# Altium PCB ControllerPCB2.PcbDoc
Units mm, origin at the board's own origin, x right, y up, seen from the top; angles counter-clockwise.
Board outline 98.99 x 100.01 mm, 2 copper layers (Top Layer, Bottom Layer); 79 components, 59 nets, 287 pads, 57 vias.
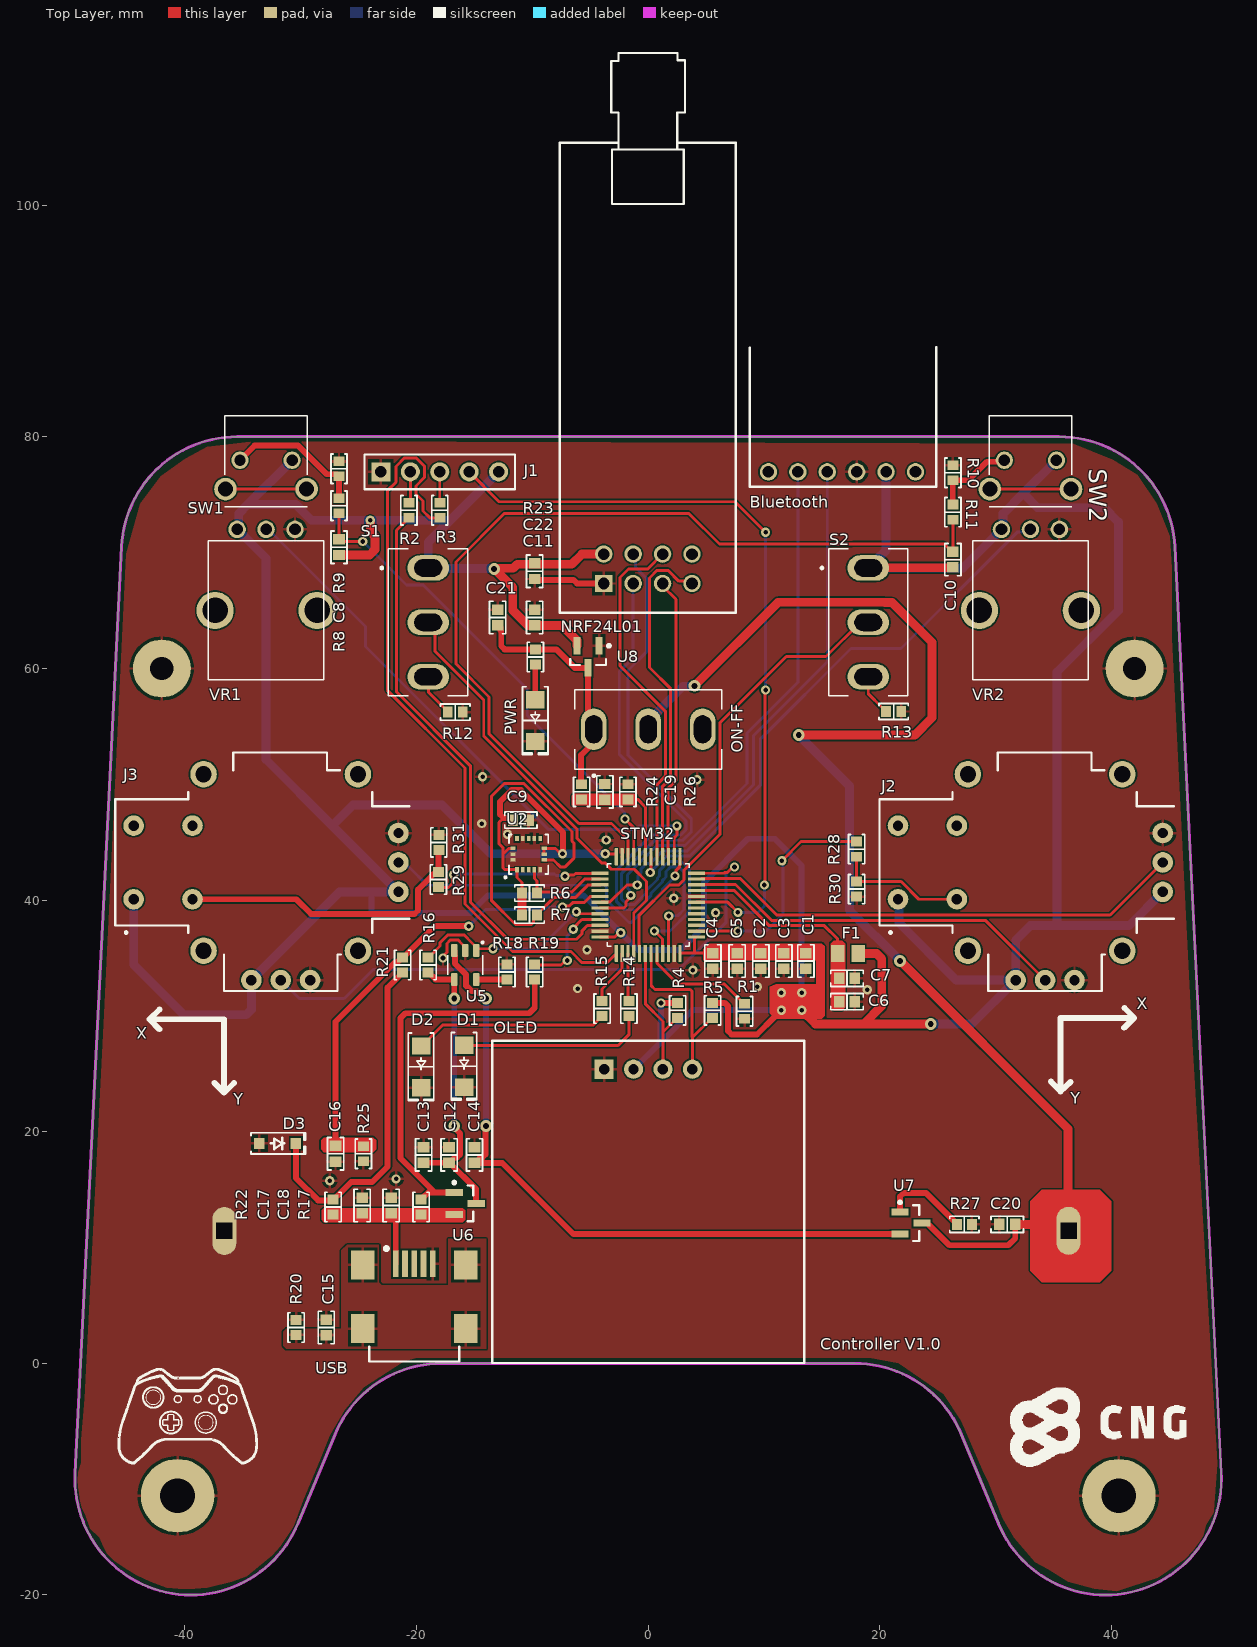
[diagram p0: Top Layer view]
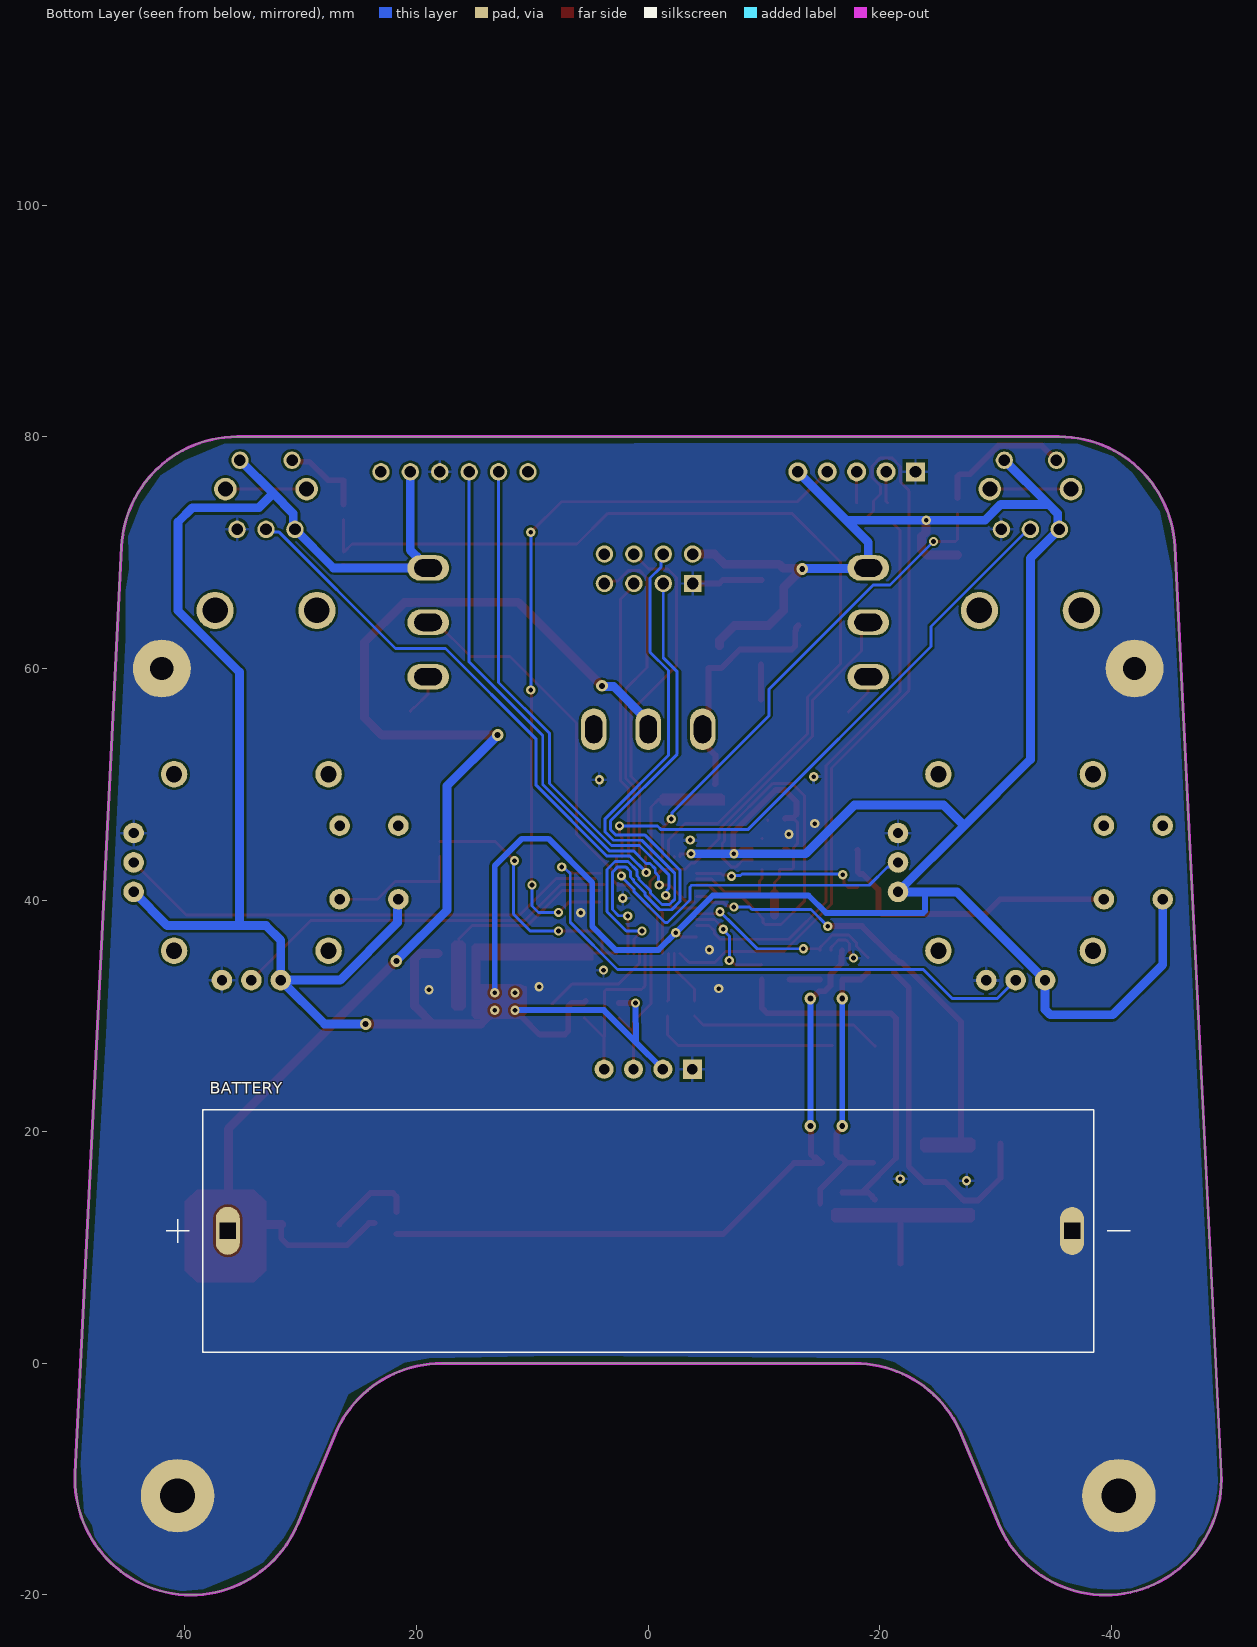
[diagram p1: Bottom Layer view, seen from below]

## Layer stack, top to bottom
Top Solder: solder mask 0.0102, Solder Resist, Dk 3.5
Top Layer: signal copper 0.0356
Dielectric 1: dielectric 0.32, FR-4, Dk 4.8
Bottom Layer: signal copper 0.0356
Bottom Solder: solder mask 0.0102, Solder Resist, Dk 3.5

## Board outline
-39.487,-20 ccw(c-39.487,-9.993) -30.25,-13.842 -27.045,-6.15 cw(c-27.044,-6.15) -27.045,-6.15 cw(c-17.821,-9.993) -17.821,0 17.821,0 cw(c17.821,-9.993) 27.046,-6.15 ccw(c27.047,-6.149) 27.046,-6.15 cw(c27.167,-6.099) 27.046,-6.15 30.251,-13.842 ccw(c39.488,-9.993) 39.488,-20 ccw(c39.488,-9.993) 49.494,-9.993 ccw(c39.492,-9.993) 49.482,-9.494 45.482,70.506 cw(c45.476,70.506) 45.482,70.506 ccw(c35.488,70.007) 35.488,80.013 -35.487,80.013 ccw(c-35.487,70.007) -45.482,70.506 -49.482,-9.494 ccw(c-39.487,-9.993)

## Design rules (kind name [scope] priority, off if disabled: settings)
Clearance [All] p1: gap=0.203 ignorepadtopadclearanceinfootprint=FALSE except(0: Arc-Hole Track-Hole SMDPad-Hole Via-Hole Fill-Hole Poly-Hole Region-Hole Text-Hole; 0.102: SMDPad-SMDPad; 0.127: Arc-Fill Arc-Poly Arc-Region Track-Fill Track-Poly Track-Region SMDPad-Fill SMDPad-Poly SMDPad-Region THPad-Fill THPad-Poly THPad-Region Via-Fill Via-Poly Via-Region Fill-Fill Fill-Poly Fill-Region Poly-Poly Poly-Region Region-Region)
Height [All] p1: minheight=0 maxheight=2539.975 prefheight=12.7
PolygonConnect [All] p1: connectstyle=Relief reliefconductorwidth=0.254 reliefentries=4 polygonreliefangle="90 Angle" airgapwidth=0.254
RoutingVias [All] p1: holewidth=0.4 width=0.8 viastyle="Through Hole" minholewidth=0.2 minwidth=0.4 maxholewidth=0.8 maxwidth=1.2
SolderMaskExpansion [All] p1: expansion=0.102 istentingtop=FALSE
Width [All] p1: maxlimit=1.016 minlimit=0.254 preferedwidth=0.508
29 further rules are at their usual default settings.

## Classes and differential pairs
component class Power: BATTERY C12 C13 C14 C15 C16 C17 C18 C19 C20 C21 C22 D3 ON-FF PWR R16 R17 R18 R19 R20 R21 R22 R23 R24 R25 R26 R27 U5 U6 U7 U8 USB
component class Peripheral: Bluetooth C8 C9 C10 C11 D1 D2 J2 J3 NRF24L01 OLED R8 R9 R10 R11 R12 R13 R14 R15 R28 R29 R30 R31 S1 S2 SW1 SW2 U2 VR1 VR2
component class MCU: C1 C2 C3 C4 C5 C6 C7 F1 J1 R1 R2 R3 R4 R5 R6 R7 STM32

## Components (designator, comment, footprint, x,y, rotation, side; value= is the part's Value field where it differs from the comment)
BATTERY "BK-18650-PC2" BK-16850-PC2 0,11.43 r180 bottom (schematic designator B3)
Bluetooth "1x6 Pin Header - Female" "1x6 Pin Header - Female" 16.731,76.982 r0 top (schematic designator H1)
C1 "4.7µF" "CAP 0603_1608" 13.614,34.747 r90 top
C2 "0.1µF" "CAP 0603_1608" 9.728,34.747 r90 top
C3 "0.1µF" "CAP 0603_1608" 11.709,34.747 r90 top
C4 "0.1µF" "CAP 0603_1608" 5.588,34.747 r90 top
C5 "0.1µF" "CAP 0603_1608" 7.671,34.747 r90 top
C6 "1µF" "CAP 0603_1608" 17.161,31.242 r180 top
C7 "10000pF" "CAP 0603_1608" 17.161,33.249 r180 top
C8 "0.1µF" "CAP 0603_1608" -26.7,70.475 r90 top
C9 "10µF" "CAP 0603_1608" -10.998,46.914 r180 top
C10 "0.1µF" "CAP 0603_1608" 26.3,69.4 r90 top
C11 "10µF" "CAP 0603_1608" -9.8,68.4 r270 top
C12 "1µF" "CAP 0603_1608" -17.2,18 r270 top
C13 "0.1µF" "CAP 0603_1608" -19.4,18 r270 top
C14 "10µF" "CAP 0603_1608" -15,18 r270 top
C15 "4700pF" "CAP 0603_1608" -27.8,3.1 r270 top
C16 "0.1µF" "CAP 0603_1608" -27,18.1 r90 top
C17 "2.2µF" "CAP 0603_1608" -24.7,13.633 r270 top
C18 "0.1µF" "CAP 0603_1608" -22.2,13.633 r270 top
C19 "1000pF" "CAP 0603_1608" -3.75,49.35 r270 top
C20 "0.1µF" "CAP 0603_1608" 31,12 r0 top
C21 "1µF" "CAP 0603_1608" -13,64.4 r270 top
C22 "1µF" "CAP 0603_1608" -9.8,64.4 r270 top
D1 "Green" "LED 1206_3216 YELLOW" -15.9,25.654 r270 top
D2 "Green" "LED 1206_3216 YELLOW" -19.609,25.607 r270 top
D3 "BZT52C5V6-HE3-08" SOD-123 -32,19 r0 top
F1 "BLM21PG220SN1D" BLM21PG220SN1D 17.248,35.382 r0 top
J1 "Header-90 Degree-5x1" "Header-90 Degree-5P" -17.999,76.982 r0 top
J2 "COM-09032" COM-09032 33.001,41.982 r90 top
J3 "COM-09032" COM-09032 -32.999,41.982 r90 top
NRF24L01 "NRF24L01" "NRF24L01+ PCB" 0,68.58 r90 top (schematic designator U3)
OLED "OLED 0.96" "OLED 0.96" 0.001,25.4 r0 top (schematic designator U4)
ON-FF "MTS-102" "MTS-102 (Toggle)" 0,54.75 r90 top (schematic designator S3)
PWR "Green" "LED 1206_3216 YELLOW" -9.75,55.5 r270 top (schematic designator D4)
R1 "10 kOhms" "RES 0603_1608" 8.331,30.404 r90 top
R2 "22 Ohms" "RES 0603_1608" -20.663,73.66 r90 top
R3 "22 Ohms" "RES 0603_1608" -17.999,73.66 r90 top
R4 "10 kOhms" "RES 0603_1608" 2.54,30.48 r90 top
R5 "10 kOhms" "RES 0603_1608" 5.561,30.48 r90 top
R6 "10 kOhms" "RES 0603_1608" -10.25,40.6 r180 top
R7 "10 kOhms" "RES 0603_1608" -10.25,38.7 r180 top
R8 "330 Ohms" "RES 0603_1608" -26.7,74.05 r270 top
R9 "10 kOhms" "RES 0603_1608" -26.7,77.25 r270 top
R10 "330 Ohms" "RES 0603_1608" 26.3,73.5 r270 top
R11 "10 kOhms" "RES 0603_1608" 26.3,76.9 r270 top
R12 "10 kOhms" "RES 0603_1608" -16.662,56.236 r180 top
R13 "10 kOhms" "RES 0603_1608" 21.194,56.286 r180 top
R14 "330 Ohms" "RES 0603_1608" -1.676,30.632 r270 top
R15 "330 Ohms" "RES 0603_1608" -3.988,30.632 r270 top
R16 "10 kOhms" "RES 0603_1608" -19,34.4 r270 top
R17 "22 kOhms" "RES 0603_1608" -19.6,13.503 r270 top
R18 "4.7 kOhms" "RES 0603_1608" -12.2,33.8 r270 top
R19 "100 Ohms" "RES 0603_1608" -9.8,33.8 r270 top
R20 "1 MOhms" "RES 0603_1608" -30.4,3.1 r270 top
R21 "47 kOhms" "RES 0603_1608" -21.2,34.4 r270 top
R22 "4.7 kOhms" "RES 0603_1608" -27.2,13.503 r90 top
R23 "330 Ohms" "RES 0603_1608" -9.75,61 r90 top
R24 "270 kOhms" "RES 0603_1608" -5.75,49.35 r90 top
R25 "56 kOhms" "RES 0603_1608" -24.6,18.1 r90 top
R26 "1 MOhms" "RES 0603_1608" -1.75,49.35 r270 top
R27 "22 kOhms" "RES 0603_1608" 27.3,12 r180 top
R28 "330 Ohms" "RES 0603_1608" 18,44.4 r270 top
R29 "330 Ohms" "RES 0603_1608" -18.11,41.783 r90 top
R30 "10 kOhms" "RES 0603_1608" 18,40.95 r90 top
R31 "10 kOhms" "RES 0603_1608" -18.085,44.983 r270 top
S1 "MTS-102" "MTS-102 (Toggle)" -18.999,63.982 r0 top
S2 "MTS-102" "MTS-102 (Toggle)" 19.001,63.982 r0 top
STM32 "STM32L051C8T6" LQFP-48 0,39.571 r180 top (schematic designator U1)
SW1 "Switch Tactile, Right Angle" "Tactile Switch" -32.999,77.982 r180 top
SW2 "Switch Tactile, Right Angle" "Tactile Switch" 33.001,77.982 r180 top
U2 "LIS3DH" VFLGA-16 -10.33,43.967 r90 top
U5 "STC4054GR" TSOT-23 -15.8,34.4 r270 top
U6 "SSM3J338R,LF" SOT-23-3 -15.8,13.8 r0 top
U7 "SSM3J338R,LF" SOT-23-3 22.7,12.1 r0 top
U8 "MCP1700T-3302E/TT" SOT-23-3 -5.2,61 r270 top
USB "USB2066-05-RBHM-15-STB-00-00-A" "USB Mini-B" -20.2,6 r0 top (schematic designator J4)
VR1 "PTV09A-4225F-B104" PTV09A-4225F-B104 -32.999,71.982 r180 top
VR2 "PTV09A-4225F-B104" PTV09A-4225F-B104 33.001,71.982 r180 top

## Footprints (in the part's own frame and the unit in brackets; to place one, negate y for a bottom-side part, rotate by r counter-clockwise, add the part's x,y. Pads: shape width x height; smd on the part's side, far side on the other; paste and mask are expansions set on the pad)
"1x6 Pin Header - Female" [mm]
  round 1.5 hole 1: 1(-6.35,0) 2(-3.81,0) 3(-1.27,0) 4(1.27,0) 5(3.81,0) 6(6.35,0)
  silkscreen extent -7.97,-1.3 8.14,10.75, body extent -7.82,-0.3 7.42,10.05, height 2
BK-16850-PC2 [mm]
  oval 2.07x4.14 hole 1.38 square: NEG(36.6,0) POS(-36.3,0.018)
  silkscreen extent -41.63,-10.49 41.63,10.49, body extent -38,-10.49 38.96,10.49, height 21.71
BLM21PG220SN1D [mm]
  rect 1.14x1.47 smd: 1(-0.89,0) 2(0.89,0)
  body extent -1,-0.63 1,0.63, height 1.05
"CAP 0603_1608" [mm] "Chip Capacitor, 2-Leads, Body 1.60x0.80mm, IPC Medium Density"
  rect 0.9x1 smd: 1(-0.675,0) 2(0.675,0)
  silkscreen extent -1.4,-0.7 1.4,0.7, body extent -0.8,-0.41 0.8,0.41, height 0.82
COM-09032 [mil]
  round 70 hole 35.43: B1A(-75,450) B1B(175,450) B2A(-75,250) B2B(175,250)
  round 70 hole 35: H1(-50,-450) H2(50,-450) H3(150,-450) V1(-350,50) V2(-350,-50) V3(-350,-150)
  round 90 hole 55: S1(-250,212.5) S2(-250,-312.5) S3(350,-312.5) S4(350,212.5)
  silkscreen extent -387,-487 424,513, body extent -468,-576 582,512, height 1190
"Header-90 Degree-5P" [mm]
  rect 1.65x1.65 hole 1: 1(-5.08,0)
  round 1.65 hole 1: 2(-2.54,0) 3(0,0) 4(2.54,0) 5(5.08,0)
  silkscreen extent -6.5,-1.5 6.5,1.5, body extent -6.32,-1.3 6.38,7.15, height 4.3
"LED 1206_3216 YELLOW" [mm] "Chip Diode, 2-Leads, Body 3.13x1.55mm, IPC Medium Density"
  rect 1.5x1.6 smd: 1(-1.8,0) 2(1.8,0)
  silkscreen extent -2.92,-1.1 2.92,1.1, body extent -1.6,-0.8 1.6,0.8, height 0.9
LQFP-48 [mm] "LQFP-48"
  rrect25% 1.49x0.28 smd: 1(-4.17,2.75) 2(-4.17,2.25) 3(-4.17,1.75) 4(-4.17,1.25) 5(-4.17,0.75) 6(-4.17,0.25) 7(-4.17,-0.25) 8(-4.17,-0.75) 9(-4.17,-1.25) 10(-4.17,-1.75) 11(-4.17,-2.25) 12(-4.17,-2.75) 25(4.17,-2.75) 26(4.17,-2.25) 27(4.17,-1.75) 28(4.17,-1.25) 29(4.17,-0.75) 30(4.17,-0.25) 31(4.17,0.25) 32(4.17,0.75) 33(4.17,1.25) 34(4.17,1.75) 35(4.17,2.25) 36(4.17,2.75)
  rrect25% 0.28x1.49 smd: 13(-2.75,-4.17) 14(-2.25,-4.17) 15(-1.75,-4.17) 16(-1.25,-4.17) 17(-0.75,-4.17) 18(-0.25,-4.17) 19(0.25,-4.17) 20(0.75,-4.17) 21(1.25,-4.17) 22(1.75,-4.17) 23(2.25,-4.17) 24(2.75,-4.17) 37(2.75,4.17) 38(2.25,4.17) 39(1.75,4.17) 40(1.25,4.17) 41(0.75,4.17) 42(0.25,4.17) 43(-0.25,4.17) 44(-0.75,4.17) 45(-1.25,4.17) 46(-1.75,4.17) 47(-2.25,4.17) 48(-2.75,4.17)
  silkscreen extent -3.55,-3.55 3.55,3.55, body extent -4.5,-4.5 4.5,4.5, height 1.6
"MTS-102 (Toggle)" [mm]
  oval 3.6x2.2 hole 1.5 slot 2.4 at 0 deg: 1(0,4.7) 2(0,0) 3(0,-4.7)
  silkscreen extent -4.1,-6.35 3.43,6.35, body extent -6.05,-6.81 5.95,6.58, height 31.83
"NRF24L01+ PCB" [mm]
  rect 1.508x1.508 hole 1: 1(-1.24,3.84)
  round 1.508 hole 1: 2(1.3,3.84) 3(-1.24,1.3) 4(1.3,1.3) 5(-1.24,-1.24) 6(1.3,-1.24) 7(-1.24,-3.78) 8(1.3,-3.78)
  silkscreen extent -3.77,-7.57 44.56,7.63, body extent -3.1,-7.68 148.3,7.82, height 5.5
"OLED 0.96" [mm]
  rect 1.65x1.65 hole 0.9: 1(-3.81,0)
  round 1.65 hole 0.9: 2(-1.27,0) 3(1.27,0) 4(3.81,0)
  silkscreen extent -13.47,-25.37 13.46,2.47, body extent -13.35,-25.55 13.35,2.31, height 6.47
PTV09A-4225F-B104 [mm]
  round 1.508 hole 1: 1(-2.501,-0.028) 2(-0.001,-0.028) 3(2.499,-0.028)
  round 3.216 hole 2.2: NC1(-4.401,6.972) NC2(4.399,6.972)
  silkscreen extent -5,0.97 5,12.97, body extent -5.59,-0.22 5.81,12.38, height 3.8
"RES 0603_1608" [mm] "Chip Resistor, 2-Leads, Body 1.60x0.80mm, IPC Medium Density"
  rect 0.85x0.95 smd: 1(-0.65,0) 2(0.65,0)
  silkscreen extent -1.27,-0.7 1.27,0.7, body extent -0.8,-0.4 0.8,0.4, height 0.45
SOD-123 [mm] "SOD, 2-Leads, Body 1.55x3.70mm, IPC Medium Density"
  rect 0.9x0.95 smd: 1(-1.575,0) 2(1.575,0)
  silkscreen extent -2.3,-0.92 2.41,0.92, body extent -1.86,-0.78 1.86,0.77, height 1.35
SOT-23-3 [mm]
  rect 1.5x0.6 smd: 1(-0.957,0.958) 2(-0.957,-0.942) 3(0.943,0.008)
  silkscreen extent -1.08,-1.54 0.69,1.93, body extent -1.31,-1.5 1.33,1.56, height 1.12
"Tactile Switch" [mm]
  round 1.498 hole 0.99: 1(-2.25,0) 2(2.25,0)
  round 1.95 hole 1.3: S1(-3.505,2.49) S2(3.505,2.49)
  silkscreen extent -3.55,-3.86 3.55,4.01, body extent -4.21,-8.35 4.21,4, height 7.06
TSOT-23 [mm]
  rrect50% 1.14x0.59 smd: 1(-1.245,0.95) 2(-1.245,0) 3(-1.245,-0.95) 4(1.245,-0.95) 5(1.245,0.95)
  silkscreen extent -2.02,-1.5 0.85,1.57, body extent -1.4,-1.45 1.4,1.45, height 1.09
"USB Mini-B" [mm]
  rect 0.5x2.3 smd: 1(-1.6,2.6) 2(-0.8,2.6) 3(0,2.6) 4(0.8,2.6) 5(1.6,2.6)
  rect 2x2.5 smd: 6(4.45,-3) 7(4.45,2.5) 8(-4.45,-3) 9(-4.45,2.5)
  silkscreen extent -3.89,-5.84 3.89,4.01, body extent -4.95,-6.2 4.95,3.2, height 4.1
VFLGA-16 [mil]
  rect 18x12 smd: 1(-53,39.37) 2(-53,19.68) 3(-53,0) 4(-53,-19.68) 5(-53,-39.37) 9(53,-39.37) 10(53,-19.68) 11(53,0) 12(53,19.68) 13(53,39.37)
  rect 12x18 smd: 6(-19.68,-53) 7(0,-53) 8(19.68,-53) 14(19.68,53) 15(0,53) 16(-19.68,53)
  silkscreen extent -81,-67 67,81, body extent -62,-62 62,62, height 39

## Part data
BATTERY: "Battery Holder 18650 Pc Pin", Manufacturer="Memory Protection Devices", Package Quantity=100, Supplier Part Number 1=BK-18650-PC2-ND, Category=Uncategorized, ComponentLink1Description=https://datasheet.ciiva.com/3/bk-18650-pc2-datasheet-3879.pdf?src-supplier=Digi-Key, ComponentLink1URL=https://datasheet.ciiva.com/3/bk-18650-pc2-datasheet-3879.pdf?src-supplier=Digi-Key, Manufacturer Part Number=BK-18650-PC2, Mount="Through Hole,PCB", Number of Cells=1, Pricing 1="1=3,64000, 10=3,06200, 50=2,68780, 100=2,53120, 250=2,32628, 500=2,18166, 1000=2,03701, 2500=1,84416, 5000=1,66336 (USD)", RoHS=Yes, Stock 1=7372, Supplier 1=Digi-Key, Termination="PC Pin"
C1: library part LMK107BJ475KA-T, "CAP CER 4.7UF 10V X5R 0603", Device Package="0603 (1608 Metric)", Manufacturer="Taiyo Yuden", Operating Temperature="-55°C ~ 85°C", Supplier Part Number 1=587-1441-1-ND, Temperature Coefficient=X5R, Tolerance=±10%, Voltage - Rated=10V, Applications="General Purpose", Capacitance=4.7µF, ComponentLink1Description=Datasheet, ComponentLink1URL="https://ds.yuden.co.jp/TYCOMPAS/ut/detail?pn=LMK107BJ475KA-T  &u=M", ComponentLink2Description="DigiKey Link", ComponentLink2URL=http://digikey.com/product-detail/en/taiyo-yuden/LMK107BJ475KA-T/587-1441-1-ND/1004072, LastUpdated="2.09.2020 01:03:36", Lifecycle Status=Active, Minimum Order=1, Mounting Type="Surface Mount, MLCC", Package / Case="0603 (1608 Metric)", Packaging=TapeAndReel, Part Number=LMK107BJ475KA-T, Part Status=Active, PartId=2244, Price=0.03, Series=M, Size / Dimension="0.063\" L x 0.031\" W (1.60mm x 0.80mm)", Supplier 1=DigiKey, Thickness (Max)="0.035\" (0.90mm)"
C2 C3 C4 C5 C13 C16 C18 C20: library part 0603Y0160104KXT, "CAP CER 0.10UF 16V X7R 0603", Device Package="0603 (1608 Metric)", Manufacturer="Knowles Syfer", Operating Temperature="-55°C ~ 125°C", Supplier Part Number 1=1608-1363-1-ND, Temperature Coefficient="X7R (2R1)", Tolerance=±10%, Voltage - Rated=16V, Applications="High Reliability, Boardflex Sensitive", Capacitance=0.1µF, ComponentLink1Description=Datasheet, ComponentLink1URL=https://www.knowlescapacitors.com/getattachment/2dbfc8bc-e2b3-4b4d-afb1-43b011b9ebe0/High-Std-Voltage.aspx, ComponentLink2Description="DigiKey Link", ComponentLink2URL=http://digikey.com/product-detail/en/knowles-syfer/0603Y0160104KXT/1608-1363-1-ND/7644465, Features="Soft Termination, High Temperature", LastUpdated="2.09.2020 01:03:34", Lifecycle Status=Active, Minimum Order=1, Mounting Type="Surface Mount, MLCC", Package / Case="0603 (1608 Metric)", Packaging=TapeAndReel, Part Number=0603Y0160104KXT, Part Status=Active, PartId=2921, Price=0.16, Series=FlexiCap™, Size / Dimension="0.063\" L x 0.031\" W (1.60mm x 0.80mm)", Supplier 1=DigiKey, Thickness (Max)="0.031\" (0.80mm)"
C6 C12 C21 C22: library part C0603C105K4RACAUTO, "CAP CER 0603 1UF 16V X7R 10%", Device Package="0603 (1608 Metric)", Manufacturer=KEMET, Operating Temperature="-55°C ~ 125°C", Ratings=AEC-Q200, Supplier Part Number 1=399-17704-1-ND, Temperature Coefficient=X7R, Tolerance=±10%, Voltage - Rated=16V, Applications="Automotive, Bypass, Decoupling", Capacitance=1µF, ComponentLink1Description=Datasheet, ComponentLink1URL=https://api.kemet.com/component-edge/download/datasheet/C0603C105K4RACAUTO.pdf, ComponentLink2Description="DigiKey Link", ComponentLink2URL=http://digikey.com/product-detail/en/kemet/C0603C105K4RACAUTO/399-17704-1-ND/8635855, LastUpdated="2.09.2020 01:03:36", Lifecycle Status=Active, Minimum Order=1, Mounting Type="Surface Mount, MLCC", Package / Case="0603 (1608 Metric)", Packaging=TapeAndReel, Part Number=C0603C105K4RACAUTO, Part Status=Active, PartId=2179, Price=0.02, Series="SMD Auto X7R", Size / Dimension="0.063\" L x 0.031\" W (1.60mm x 0.80mm)", Supplier 1=DigiKey, Thickness (Max)="0.037\" (0.95mm)"
C7: library part C0603C103K4RECAUTO, "CAP CER 0603 10NF 16V X7R 10%", Device Package="0603 (1608 Metric)", Manufacturer=KEMET, Operating Temperature="-55°C ~ 125°C", Ratings=AEC-Q200, Supplier Part Number 1=399-17880-1-ND, Temperature Coefficient=X7R, Tolerance=±10%, Voltage - Rated=16V, Applications="Automotive, ESD Protection", Capacitance=10000pF, ComponentLink1Description=Datasheet, ComponentLink1URL=https://api.kemet.com/component-edge/download/datasheet/C0603C103K4RECAUTO.pdf, ComponentLink2Description="DigiKey Link", ComponentLink2URL=http://digikey.com/product-detail/en/kemet/C0603C103K4RECAUTO/399-17880-1-ND/8640547, LastUpdated="2.09.2020 01:03:25", Lifecycle Status=Active, Minimum Order=1, Mounting Type="Surface Mount, MLCC", Package / Case="0603 (1608 Metric)", Packaging=TapeAndReel, Part Number=C0603C103K4RECAUTO, Part Status=Active, PartId=8251, Price=0.02, Series="ESD SMD Auto X7R", Size / Dimension="0.063\" L x 0.031\" W (1.60mm x 0.80mm)", Supplier 1=DigiKey, Thickness (Max)="0.034\" (0.87mm)"
C8 C10: library part C0603C104K5RAC7411, "CAP CER 0.1UF 50V X7R 0603", Device Package="0603 (1608 Metric)", Manufacturer=KEMET, Operating Temperature="-55°C ~ 125°C", Supplier Part Number 1=399-7374-2-ND, Temperature Coefficient=X7R, Tolerance=±10%, Voltage - Rated=50V, Applications="Bypass, Decoupling", Capacitance=0.1µF, ComponentLink1Description=Datasheet, ComponentLink1URL=https://api.kemet.com/component-edge/download/datasheet/C0603C104K5RAC7411.pdf, ComponentLink2Description="DigiKey Link", ComponentLink2URL=http://digikey.com/product-detail/en/kemet/C0603C104K5RAC7411/399-7374-2-ND/3317013, LastUpdated="2.09.2020 01:03:36", Lifecycle Status=Active, Minimum Order=15000, Mounting Type="Surface Mount, MLCC", Package / Case="0603 (1608 Metric)", Packaging=TapeAndReel, Part Number=C0603C104K5RAC7411, Part Status=Active, PartId=2233, Price=0.02, Series="SMD Comm X7R", Size / Dimension="0.063\" L x 0.031\" W (1.60mm x 0.80mm)", Supplier 1=DigiKey, Thickness (Max)="0.035\" (0.90mm)"
C9 C11 C14: library part GRM188R60J106ME47D, "CAP CER 10UF 6.3V X5R 0603", Device Package="0603 (1608 Metric)", Manufacturer="Murata Electronics", Operating Temperature="-55°C ~ 85°C", Supplier Part Number 1=490-3896-1-ND, Temperature Coefficient=X5R, Tolerance=±20%, Voltage - Rated=6.3V, Applications="General Purpose", Capacitance=10µF, ComponentLink1Description=Datasheet, ComponentLink1URL=https://www.murata.com/~/media/webrenewal/support/library/catalog/products/capacitor/mlcc/c02e.ashx?la=en-us, ComponentLink2Description="DigiKey Link", ComponentLink2URL=http://digikey.com/product-detail/en/murata-electronics/GRM188R60J106ME47D/490-3896-1-ND/965938, LastUpdated="2.09.2020 01:03:35", Lifecycle Status=Active, Minimum Order=1, Mounting Type="Surface Mount, MLCC", Package / Case="0603 (1608 Metric)", Packaging=TapeAndReel, Part Number=GRM188R60J106ME47D, Part Status=Active, PartId=2351, Price=0.03, Series=GRM, Size / Dimension="0.063\" L x 0.031\" W (1.60mm x 0.80mm)", Supplier 1=DigiKey, Thickness (Max)="0.035\" (0.90mm)"
C15: library part C0603C472K4RECAUTO, "CAP CER 0603 4.7NF 16V X7R 10%", Device Package="0603 (1608 Metric)", Manufacturer=KEMET, Operating Temperature="-55°C ~ 125°C", Ratings=AEC-Q200, Supplier Part Number 1=399-17879-1-ND, Temperature Coefficient=X7R, Tolerance=±10%, Voltage - Rated=16V, Applications="Automotive, ESD Protection", Capacitance=4700pF, ComponentLink1Description=Datasheet, ComponentLink1URL=https://api.kemet.com/component-edge/download/datasheet/C0603C472K4RECAUTO.pdf, ComponentLink2Description="DigiKey Link", ComponentLink2URL=http://digikey.com/product-detail/en/kemet/C0603C472K4RECAUTO/399-17879-1-ND/8640546, LastUpdated="2.09.2020 01:03:03", Lifecycle Status=Active, Minimum Order=1, Mounting Type="Surface Mount, MLCC", Package / Case="0603 (1608 Metric)", Packaging=TapeAndReel, Part Number=C0603C472K4RECAUTO, Part Status=Active, PartId=17340, Price=0.03, Series="ESD SMD Auto X7R", Size / Dimension="0.063\" L x 0.031\" W (1.60mm x 0.80mm)", Supplier 1=DigiKey, Thickness (Max)="0.034\" (0.87mm)"
C17: library part CC0603ZRY5V7BB225, "CAP CER 2.2UF 16V Y5V 0603", Device Package="0603 (1608 Metric)", Manufacturer=Yageo, Operating Temperature="-30°C ~ 85°C", Supplier Part Number 1=311-3416-1-ND, Temperature Coefficient="Y5V (F)", Tolerance="-20%, +80%", Voltage - Rated=16V, Applications="General Purpose", Capacitance=2.2µF, ComponentLink1Description=Datasheet, ComponentLink1URL=http://www.yageo.com/documents/recent/UPY-GPHC_Y5V_6.3V-to-50V_8.pdf, ComponentLink2Description="DigiKey Link", ComponentLink2URL=http://digikey.com/product-detail/en/yageo/CC0603ZRY5V7BB225/311-3416-1-ND/7164437, LastUpdated="2.09.2020 01:03:36", Lifecycle Status=Active, Minimum Order=1, Mounting Type="Surface Mount, MLCC", Package / Case="0603 (1608 Metric)", Packaging=TapeAndReel, Part Number=CC0603ZRY5V7BB225, Part Status=Active, PartId=2203, Price=0.02, Series=CC, Size / Dimension="0.063\" L x 0.031\" W (1.60mm x 0.80mm)", Supplier 1=DigiKey, Thickness (Max)="0.035\" (0.90mm)"
C19: library part C0603C102K4RECAUTO, "CAP CER 0603 1NF 16V X7R 10%", Device Package="0603 (1608 Metric)", Manufacturer=KEMET, Operating Temperature="-55°C ~ 125°C", Ratings=AEC-Q200, Supplier Part Number 1=399-17878-1-ND, Temperature Coefficient=X7R, Tolerance=±10%, Voltage - Rated=16V, Applications="Automotive, ESD Protection", Capacitance=1000pF, ComponentLink1Description=Datasheet, ComponentLink1URL=https://api.kemet.com/component-edge/download/datasheet/C0603C102K4RECAUTO.pdf, ComponentLink2Description="DigiKey Link", ComponentLink2URL=http://digikey.com/product-detail/en/kemet/C0603C102K4RECAUTO/399-17878-1-ND/8640545, LastUpdated="2.09.2020 01:03:36", Lifecycle Status=Active, Minimum Order=1, Mounting Type="Surface Mount, MLCC", Package / Case="0603 (1608 Metric)", Packaging=TapeAndReel, Part Number=C0603C102K4RECAUTO, Part Status=Active, PartId=2316, Price=0.02, Series="ESD SMD Auto X7R", Size / Dimension="0.063\" L x 0.031\" W (1.60mm x 0.80mm)", Supplier 1=DigiKey, Thickness (Max)="0.034\" (0.87mm)"
D1 D2 PWR: library part 5990240007F, "LED YELLOW 1206 SMD", Color=Yellow, Current - Test=20mA, Device Package="1206 (3216 Metric)", Lens Color=0.80mm, Manufacturer=Dialight, Millicandela Rating=126mcd, Supplier Device Package=1206, Supplier Part Number 1=350-4363-1-ND, Voltage - Forward (Vf) (Typ)=2.1V, ComponentLink1Description=Datasheet, ComponentLink1URL=http://www.dialightsignalsandcomponents.com/Assets/Brochures_And_Catalogs/Indication/CBI_SMD_new/Dialight_CBI_data_599-1206_Apr2018.pdf, ComponentLink2Description="DigiKey Link", ComponentLink2URL=http://digikey.com/product-detail/en/dialight/5990240007F/350-4363-1-ND/9385469, Configuration=Standard, Height (Max)=0.80mm, LastUpdated="2.09.2020 01:21:26", Lens Size="2.00mm x 1.60mm", Lens Style="Rectangle with Flat Top", Lifecycle Status=Active, Minimum Order=1, Mounting Type="Surface Mount", Package / Case="1206 (3216 Metric)", Packaging=TapeAndReel, Part Number=5990240007F, Part Status=Active, PartId=1, Price=0.07, Series=599, Size / Dimension="3.20mm L x 1.60mm W", Supplier 1=DigiKey, Viewing Angle=140°, Wavelength - Dominant=590nm
D3: "DIODE ZENER 5.6V 410MW SOD123", Current - Reverse Leakage @ Vr="100nA @ 1V", Manufacturer="Vishay Semiconductor Diodes Division", Operating Temperature="-55°C ~ 150°C", Package / Case=SOD-123, Power - Max=410mW, Supplier Part Number 1=BZT52C5V6-HE3-08GICT-ND, Tolerance=±5%, Voltage - Zener (Nom) (Vz)=5.6V, ComponentLink1Description=Datasheet, ComponentLink1URL=http://www.vishay.com/docs/85760/bzt52.pdf, ComponentLink2Description="DigiKey Link", ComponentLink2URL=http://digikey.com/product-detail/en/vishay-semiconductor-diodes-division/BZT52C5V6-HE3-08/BZT52C5V6-HE3-08GICT-ND/8564836, LastUpdated="2.09.2020 01:19:27", Lifecycle Status=Active, Minimum Order=1, Mounting Type="Surface Mount", Packaging=TapeAndReel, Part Number=BZT52C5V6-HE3-08, Part Status=Active, PartId=1739, Price=0.05, Series="Automotive, AEC-Q101", Supplier 1=DigiKey, Supplier Device Package=SOD-123, Impedance (Max) (Zzt)="10 Ohms"
F1: "Ferrite Beads Multi-Layer 22Ohm 25% 100MHz 6A 9mOhm DCR 0805 Paper T/R", Case Code (Metric)=2012, Case Code (Imperial)=0805, Current Rating=6A, DC Resistance (DCR)=9mR, Manufacturer=Murata, Manufacturer Series=BLM21P, Max Operating Temperature=125°C, Min Operating Temperature=-55°C, Package Quantity=1, Resistance=10mR, Supplier Part Number 1=490-5987-6-ND, Test Frequency=100MHz, Tolerance=25%, Case/Package=0805, Category="Ferrite Beads and Chips", ComponentLink1Description=https://datasheet.ciiva.com/14122/anblm21p-data-e-14122211.pdf?src-supplier=Distrelec, ComponentLink1URL=https://datasheet.ciiva.com/14122/anblm21p-data-e-14122211.pdf?src-supplier=Distrelec, ComponentLink2Description=https://datasheet.ciiva.com/11799/0900766b81275e31-11799177.pdf?src-supplier=RSComponents, ComponentLink2URL=https://datasheet.ciiva.com/11799/0900766b81275e31-11799177.pdf?src-supplier=RSComponents, ComponentLink3Description=https://datasheet.ciiva.com/29700/1845312-29700540.pdf?src-supplier=Jameco, ComponentLink3URL=https://datasheet.ciiva.com/29700/1845312-29700540.pdf?src-supplier=Jameco, ComponentLink4Description=https://datasheet.ciiva.com/3081/l0110s0100blm21p-3081653.pdf?src-supplier=Avnet, ComponentLink4URL=https://datasheet.ciiva.com/3081/l0110s0100blm21p-3081653.pdf?src-supplier=Avnet, ComponentLink5Description=https://datasheet.ciiva.com/8021/5160-8021589.pdf?src-supplier=Element14, ComponentLink5URL=https://datasheet.ciiva.com/8021/5160-8021589.pdf?src-supplier=Element14, ComponentLink6Description=https://datasheet.ciiva.com/16291/l0110s0100blm21p-16291622.pdf?src-supplier=Future+Electronics, ComponentLink6URL=https://datasheet.ciiva.com/16291/l0110s0100blm21p-16291622.pdf?src-supplier=Future+Electronics, ComponentLink7Description=https://datasheet.ciiva.com/8021/5160-8021591.pdf?src-supplier=Element14, ComponentLink7URL=https://datasheet.ciiva.com/8021/5160-8021591.pdf?src-supplier=Element14, ComponentLink8Description=https://datasheet.ciiva.com/6211/l0110s0100blm21p-6211741.pdf?src-supplier=Digi-Key, ComponentLink8URL=https://datasheet.ciiva.com/6211/l0110s0100blm21p-6211741.pdf?src-supplier=Digi-Key, ComponentLink9Description=https://datasheet.ciiva.com/41449/001171738-da-01-en-chip-drossel0805-22r0-6000ma-2-0x1-25mm-41449366.pdf?src-supplier=Conrad, ComponentLink9URL=https://datasheet.ciiva.com/41449/001171738-da-01-en-chip-drossel0805-22r0-6000ma-2-0x1-25mm-41449366.pdf?src-supplier=Conrad, Core Material=Ferrite, DC Current=6A, DC Resistance-Max=9mR, Depth=1.25mm, Height=0.85mm, Lead Free="Lead Free", Length=2mm, Manufacturer Part Number=BLM21PG220SN1D, Material=Steel,Ferrite, Max Current Rating=6A, Max DC Current=6A, Number of Circuits=1, Number of Functions=1, Number of Lines=1, Number of Pins=2, Packaging="Tape and Reel", Pricing 1="1=0,13000, 10=0,10300, 25=0,09320, 50=0,06820, 100=0,05890, 250=0,04652, 500=0,03930, 1000=0,03309 (USD)", Radiation Hardening=No, REACH SVHC="No SVHC", RoHS=Yes, RoHS Compliant=Yes, Series=BLM21P, Shielding=Unshielded, Supplier 1=Digi-Key, Terminal Finish=Tin, Termination=SMD/SMT, Weight=0.000194oz, Width=1.25mm, Impedance=22R
J2 J3: "Joystick 10K Ohm 2 Axis Th", Manufacturer=SparkFun, Supplier Part Number 1=1568-1526-ND, ComponentLink1Description=https://media.digikey.com/pdf/Data%20Sheets/Sparkfun%20PDFs/COM-09032_Web.pdf?src-supplier=Digi-Key, ComponentLink1URL=https://media.digikey.com/pdf/Data%20Sheets/Sparkfun%20PDFs/COM-09032_Web.pdf?src-supplier=Digi-Key, Manufacturer Part Number=COM-09032, Pricing 1="1=3,95000 (USD)", RoHS=No, Stock 1=1930, Supplier 1=Digi-Key
NRF24L01: library part "NRF24L01+ PCB"
R1 R4 R5 R6 R7 R9 R11 R12 R13 R30 R31: library part RNCS0603BKE10K0, "RES 10K OHM 0.1% 1/16W 0603", Device Package="0603 (1608 Metric)", Manufacturer="Stackpole Electronics Inc", Operating Temperature="-55°C ~ 155°C", Power (Watts)="0.063W, 1/16W", Ratings=AEC-Q200, Supplier Device Package=0603, Supplier Part Number 1=RNCS0603BKE10K0CT-ND, Temperature Coefficient=±25ppm/°C, Tolerance=±0.1%, ComponentLink1Description=Datasheet, ComponentLink1URL=https://www.seielect.com/catalog/sei-rncs_rnch.pdf, ComponentLink2Description="DigiKey Link", ComponentLink2URL=http://digikey.com/product-detail/en/stackpole-electronics-inc/RNCS0603BKE10K0/RNCS0603BKE10K0CT-ND/1800113, Composition="Thin Film", Features="Anti-Corrosive, Automotive AEC-Q200, Moisture Resistant", Height - Seated (Max)="0.022\" (0.55mm)", LastUpdated="2.09.2020 01:10:25", Lifecycle Status=Active, Minimum Order=1, Number of Terminations=2, Package / Case="0603 (1608 Metric)", Packaging=TapeAndReel, Part Number=RNCS0603BKE10K0, Part Status=Active, PartId=4838, Price=0.08, Resistance="10 kOhms", Series=RNCS, Size / Dimension="0.061\" L x 0.031\" W (1.55mm x 0.80mm)", Supplier 1=DigiKey
R2 R3: library part ERJ-3EKF22R0V, "RES SMD 22 OHM 1% 1/10W 0603", Device Package="0603 (1608 Metric)", Manufacturer="Panasonic Electronic Components", Operating Temperature="-55°C ~ 155°C", Power (Watts)="0.1W, 1/10W", Ratings=AEC-Q200, Supplier Device Package=0603, Supplier Part Number 1=P22.0HCT-ND, Temperature Coefficient=±100ppm/°C, Tolerance=±1%, ComponentLink1Description=Datasheet, ComponentLink1URL=https://industrial.panasonic.com/cdbs/www-data/pdf/RDA0000/AOA0000C304.pdf, ComponentLink2Description="DigiKey Link", ComponentLink2URL=http://digikey.com/product-detail/en/panasonic-electronic-components/ERJ-3EKF22R0V/P22.0HCT-ND/1746745, Composition="Thick Film", Features="Automotive AEC-Q200", Height - Seated (Max)="0.022\" (0.55mm)", LastUpdated="2.09.2020 01:10:23", Lifecycle Status=Active, Minimum Order=1, Number of Terminations=2, Package / Case="0603 (1608 Metric)", Packaging=TapeAndReel, Part Number=ERJ-3EKF22R0V, Part Status=Active, PartId=5655, Price=0.01, Resistance="22 Ohms", Series=ERJ, Size / Dimension="0.063\" L x 0.031\" W (1.60mm x 0.80mm)", Supplier 1=DigiKey
R8 R10 R14 R15 R23 R28 R29: library part AC0603FR-07330RL, "RES SMD 330 OHM 1% 1/10W 0603", Device Package="0603 (1608 Metric)", Manufacturer=Yageo, Operating Temperature="-55°C ~ 155°C", Power (Watts)="0.1W, 1/10W", Ratings=AEC-Q200, Supplier Device Package=0603, Supplier Part Number 1=YAG3595CT-ND, Temperature Coefficient=±100ppm/°C, Tolerance=±1%, ComponentLink1Description=Datasheet, ComponentLink1URL=https://www.yageo.com/upload/media/product/productsearch/datasheet/rchip/PYu-AC_51_RoHS_L_7.pdf, ComponentLink2Description="DigiKey Link", ComponentLink2URL=http://digikey.com/product-detail/en/yageo/AC0603FR-07330RL/YAG3595CT-ND/6006444, Composition="Thick Film", Features="Automotive AEC-Q200, Moisture Resistant", Height - Seated (Max)="0.022\" (0.55mm)", LastUpdated="2.09.2020 01:09:46", Lifecycle Status=Active, Minimum Order=1, Number of Terminations=2, Package / Case="0603 (1608 Metric)", Packaging=CutTape, Part Number=AC0603FR-07330RL, Part Status=Active, PartId=22572, Price=0.10, Resistance="330 Ohms", Series=AC, Size / Dimension="0.063\" L x 0.031\" W (1.60mm x 0.80mm)", Supplier 1=DigiKey
R16: library part CPF0603B10KE, "RES SMD 10K OHM 0.1% 1/16W 0603", Device Package="0603 (1608 Metric)", Manufacturer="TE Connectivity Passive Product", Operating Temperature="-55°C ~ 155°C", Power (Watts)="0.063W, 1/16W", Supplier Device Package=0603, Supplier Part Number 1=A119886CT-ND, Temperature Coefficient=±25ppm/°C, Tolerance=±0.1%, ComponentLink1Description=Datasheet, ComponentLink1URL=https://www.te.com/commerce/DocumentDelivery/DDEController?Action=srchrtrv&DocNm=1773200&DocType=DS&DocLang=English, ComponentLink2Description="DigiKey Link", ComponentLink2URL=http://digikey.com/product-detail/en/te-connectivity-passive-product/CPF0603B10KE/A119886CT-ND/4966484, Composition="Thin Film", Height - Seated (Max)="0.022\" (0.55mm)", LastUpdated="2.09.2020 01:10:25", Lifecycle Status=Active, Minimum Order=1, Number of Terminations=2, Package / Case="0603 (1608 Metric)", Packaging=TapeAndReel, Part Number=CPF0603B10KE, Part Status=Active, PartId=4872, Price=0.09, Resistance="10 kOhms", Series="CPF, Neohm", Size / Dimension="0.061\" L x 0.031\" W (1.55mm x 0.80mm)", Supplier 1=DigiKey
R17 R27: library part AC0603JR-0722KL, "RES SMD 22K OHM 5% 1/10W 0603", Device Package="0603 (1608 Metric)", Manufacturer=Yageo, Operating Temperature="-55°C ~ 155°C", Power (Watts)="0.1W, 1/10W", Ratings=AEC-Q200, Supplier Device Package=0603, Supplier Part Number 1=YAG3653CT-ND, Temperature Coefficient=±100ppm/°C, Tolerance=±5%, ComponentLink1Description=Datasheet, ComponentLink1URL=https://www.yageo.com/upload/media/product/productsearch/datasheet/rchip/PYu-AC_51_RoHS_L_7.pdf, ComponentLink2Description="DigiKey Link", ComponentLink2URL=http://digikey.com/product-detail/en/yageo/AC0603JR-0722KL/YAG3653CT-ND/6006502, Composition="Thick Film", Features="Automotive AEC-Q200, Moisture Resistant", Height - Seated (Max)="0.022\" (0.55mm)", LastUpdated="2.09.2020 01:10:18", Lifecycle Status=Active, Minimum Order=1, Number of Terminations=2, Package / Case="0603 (1608 Metric)", Packaging=CutTape, Part Number=AC0603JR-0722KL, Part Status=Active, PartId=8286, Price=0.10, Resistance="22 kOhms", Series=AC, Size / Dimension="0.063\" L x 0.031\" W (1.60mm x 0.80mm)", Supplier 1=DigiKey